# Altium PCB DI544.PcbDoc (part 6 of 7)
Units mil, origin at the board's own origin, x right, y up, seen from the top; angles counter-clockwise.
Board outline 8666.42 x 9192.01 mil, 4 copper layers (Top Layer, Mid-Layer 1, Mid-Layer 2, Bottom Layer), stack 35.6 mil thick; 830 components, 583 nets, 2837 pads, 1326 vias.
Unrouted connection lines stored in the file: 629.
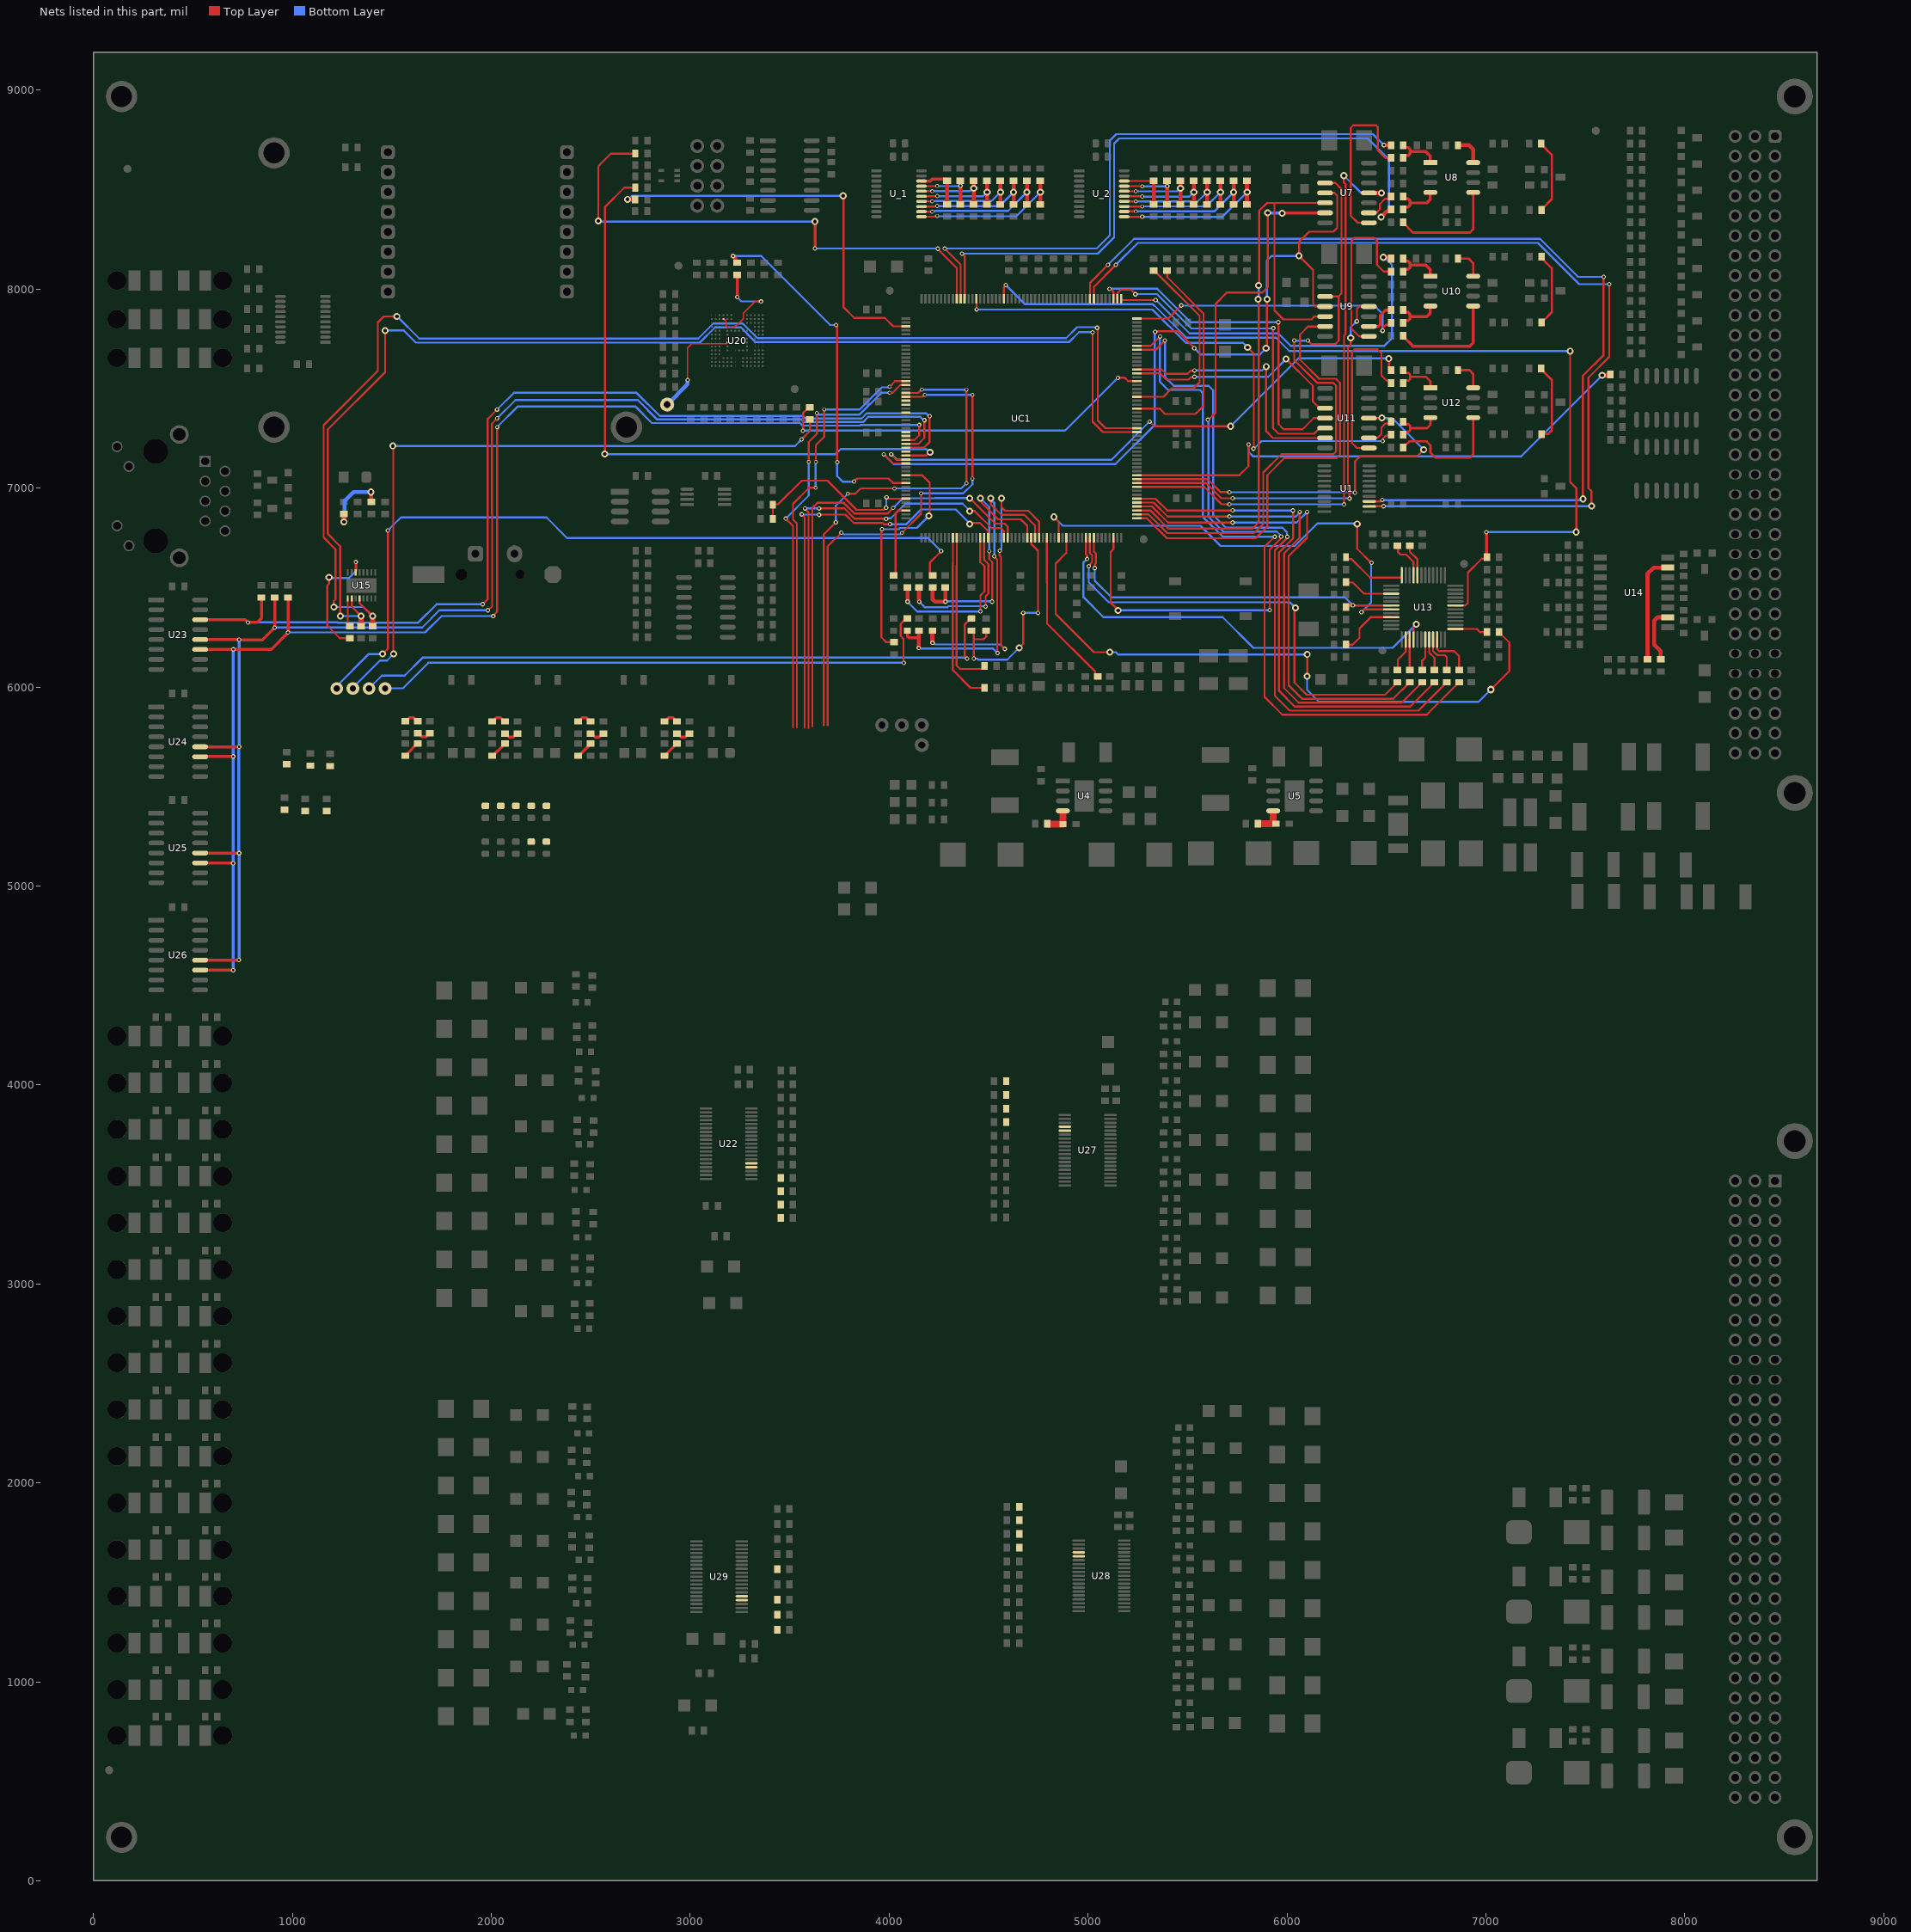
[diagram p8: the nets of this part, all layers, seen from the top]

## Via types
v1: diameter 22, hole 12, Top Layer to Bottom Layer, tented both sides, 440 vias
v2: diameter 32, hole 18, Top Layer to Bottom Layer, tented both sides, 418 vias
v3: diameter 35, hole 18, Top Layer to Bottom Layer, tented both sides, 380 vias
v4: diameter 20, hole 12, Top Layer to Bottom Layer, tented both sides, 52 vias
v5: diameter 24, hole 12, Top Layer to Bottom Layer, tented both sides, 8 vias
v6: diameter 38, hole 18, Top Layer to Bottom Layer, tented both sides, 6 vias
v7: diameter 30, hole 20, Top Layer to Bottom Layer, 4 vias
v8: diameter 39.37, hole 19.68, Top Layer to Bottom Layer, 4 vias
v9: diameter 62.99, hole 31.5, Top Layer to Bottom Layer, tented both sides, 4 vias
v10: diameter 35, hole 19, Top Layer to Bottom Layer, tented both sides, 4 vias
v11: diameter 21, hole 12, Top Layer to Bottom Layer, tented both sides, 3 vias
v12: diameter 35, hole 12, Top Layer to Bottom Layer, tented both sides, 1 vias
v13: diameter 22.01, hole 12, Top Layer to Bottom Layer, tented both sides, 1 vias
v14: diameter 35, hole 22, Top Layer to Bottom Layer, tented both sides, 1 vias

## Nets (pads, with @x,y where several pads share a name; then routed paths per layer and width w, separated by ;. In a path a pad name is that pad's centre, name@x,y a point inside that pad or via, vN(x,y) a via of type N, cw(c..) or ccw(c..) an arc to the next point about the centre after c; other vN are vias at no path point) (continued)
NetR31_1: R31.1 U20.B4 | length 532.6
  Top Layer w5.91: U20.B4@3167.6,7850.39 3178,7839.99 3178,7839.71 3181.3,7836.41 3181.3,7813.65 3189.89,7805.06 3219.7,7805.06 3266.72,7852.08 3266.72,7878.93 3325.8,7938 v1(3356,7938)
  Top Layer w15: v1(3237,7960.19) R31.1@3237,8072.4
  Bottom Layer w10: v1(3237,7960.19) 3237,7959 3256.9,7939.1 3354.9,7939.1 v1(3356,7938)
NetR31_2: R31.2 UC1.199 | length 1841
  Top Layer w10: v1(3733.27,7820) 3733.27,7819.01 3739.17,7813.11 v1(3739.17,7130.67) ; v1(3824,7033.73) 3839.19,7048.92 3997.08,7048.92 4020.07,7025.93 UC1.199@4084.48,7025.93
  Top Layer w20: v1(3215.55,8167) 3215.55,8166.46 3227.5,8154.51 3227.5,8139.4 3233.5,8133.4 R31.2@3237,8133.4
  Bottom Layer w10: v1(3215.55,8167) 3357,8167 3704,7820 v1(3733.27,7820) ; v1(3739.17,7130.67) 3739.17,7060.08 3766.26,7032.99 3823.26,7032.99 v1(3824,7033.73)
NetR32_2: R32.2 UC1.81 | length 1118
  Top Layer w10: UC1.81@5245.9,7399.95 5360.88,7399.95 5387.83,7373 5540.14,7373 5560.84,7393.7 5561.02,7393.7 5581,7413.68 5581,7877.72 5397.94,8060.78 R32.2@5397.94,8092.7
NetR33_2: R33.2 UC1.84 | length 1003.1
  Top Layer w10: UC1.84@5245.9,7459 5379.28,7459 5422.24,7501.97 5530.51,7501.97 5561,7532.46 5561,7866.25 5334.55,8092.7 R33.2@5331.05,8092.7
NetR34_2: R34.2 UC1.9 | length 861.4
  Top Layer w10: UC1.9@4320.7,6750.34 4320.7,6619.55 4319.92,6618.77 4319.92,6086.57 4409.94,5996.56 R34.2@4479.89,5996.56
NetR36_2: R36.2 UC1.16 | length 844.6
  Top Layer w10: UC1.16@4458.5,6750.34 4458.5,6628.5 4479.74,6607.26 4479.74,6481.74 4459.29,6461.29 v1(4459.29,6381)
  Top Layer w20: v1@4093,6429 R36.2@4093,6500
  Bottom Layer w10: v1@4093,6429 4142,6380 4458.29,6380 v1(4459.29,6381)
  other v1: 4093,6429.41
NetR38_2: R38.2 UC1.17 | length 779
  Top Layer w10: UC1.17@4478.18,6750.34 4478.18,6638.82 4499,6618 4499,6471 4485.09,6457.09 4485.09,6405.21 v1(4485.29,6405)
  Top Layer w20: R38.2@4150.45,6500 4150.45,6430.8 4151.57,6429.68 v1(4151.57,6429.13)
  Bottom Layer w10: v1(4151.57,6429.13) 4178.71,6402 4294,6402 4299,6407 4483.29,6407 v1(4485.29,6405)
NetR39_2: R39.2 UC1.33 | length 803.5
  Top Layer w10: UC1.33@4793.14,6750.34 4793.14,6526.38 4794.44,6525.08 4794.44,6319.73 5036.35,6077.83 5036.35,6064.29 5047.35,6053.29 R39.2@5048.52,6053.29
NetR40_1: R40.1 UC1.206 | length 374.5
  Top Layer w10: R40.1@4023.02,6561 4033,6570.98 4033,6874 4047.14,6888.14 UC1.206@4084.48,6888.14
NetR41_2: R41.2 UC1.10 | length 797.5
  Top Layer w10: UC1.10@4340.39,6750.34 4340.39,6610.96 4339.92,6610.49 4339.92,6107.91 4356.34,6091.5 4412.61,6091.5 4468.89,6091.52 4479.89,6102.52 R41.2@4479.89,6106.02
NetR42_2: R42.2 R43.2 UC1.28 | length 1349.9
  Top Layer w10: R42.2@4280.23,6503.34 R42.2@4283.38,6500.18 ; v3(4458.66,6949.8) 4463.28,6945.19 4463.28,6928.46 4548.23,6843.5 4662.4,6843.5 4695,6810.91 4695,6750.63 UC1.28@4694.72,6750.34 ; v4(4503.18,6683) 4503.18,6643.82 4519,6628 4519,6431.06 v1(4517.35,6429.41)
  Top Layer w20: R43.2@4219.09,6500 4218.5,6499.42 4218.5,6441.13 4230.22,6429.41 v1(4283,6429.41) 4283,6499.8 R42.2@4283.38,6500.18
  Bottom Layer w10: v1(4283,6429.41) 4284.59,6431 4515.76,6431 v1(4517.35,6429.41) ; v3(4458.66,6949.8) 4503.18,6905.28 v4(4503.18,6683)
NetR43_1: R43.1 | length 3968.9
  Top Layer w10: v3@1453.76,6166.36 1480.32,6192.91 v1(1480.32,6787.4) ; R43.1@4216.14,6561 4215.72,6561 4204.72,6572 4204.72,6625.13 4261.57,6681.98 v1(4261.57,6683.39)
  Bottom Layer w10: v9@1224.41,5995.08 1224.41,6005.91 1384.84,6166.34 v3@1453.72,6166.34 ; v1(1480.32,6787.4) 1509.02,6816.11 1546.26,6853.35 2277.56,6853.35 2381.16,6749.75 4195.78,6749.75 4261.57,6683.95 v1(4261.57,6683.39)
  other v3: 1453.74,6166.36
  other v9: 1223.4,5993.11
NetR44_2: R44.2 R46.2 UC1.29 | length 1151.7
  Top Layer w10: R46.2@4414.5,6283.78 4426,6272.28 4426,6240.16 ; v1(4426,6143) 4426,6240.16 ; R44.2@4488.08,6283.78 4488.08,6253.83 4474.41,6240.16 4426,6240.16 ; v3(4654.53,6197.83) 4674.21,6217.52 v1(4674.21,6373.03) ; UC1.29@4714.4,6750.34 4714.43,6719.63 4748.46,6685.6 4748.46,6373.05 v1@4750.74,6375.33
  Bottom Layer w10: v1(4426,6143) 4426.5,6143.5 4444.1,6143.5 4450.1,6137.5 4594.19,6137.5 v3(4654.53,6197.83) ; v1(4674.21,6373.03) v1(4748.44,6373.03)
NetR45_2: R45.2 UC1.197 | length 1185.9
  Top Layer w10: v1(3964.37,6793.92) 3962.08,6791.63 3962.08,6781.72 3961.2,6780.85 3961.2,6250.41 3985.73,6225.88 R45.2@4024.99,6225.88 ; UC1.197@4084.48,7065.3 4165.7,7065.3 4204,7027 4204,6869.07 4203.74,6868.81 4203.74,6866.62 4200,6862.88 v3(4200,6860.18)
  Bottom Layer w10: v1(3964.37,6793.92) 3964.58,6793.72 4048.43,6793.72 4054.46,6799.75 4139.57,6799.75 v3(4200,6860.18)
NetR46_1: R46.1 | length 3293.1
  Top Layer w10: v1(4392.8,6143) 4392.8,6145.85 4379.92,6158.73 4379.92,6313.71 4408.76,6342.54 R46.1@4408.76,6344.78
  Bottom Layer w10: v9@1384.98,5993.11 1449.94,6058.07 1564.96,6058.07 1654.89,6148 4380.94,6148 4383.64,6145.3 4390.5,6145.3 v1(4392.8,6143)
  other v9: 1385.49,5993.11
NetR47_2: R47.2 R49.2 UC1.30 | length 1735.2
  Top Layer w10: R49.2@4091.66,6283.78 R49.2@4093.33,6282.11 ; v3(4511.81,6949.8) 4512.82,6948.8 4512.82,6917.3 4563.98,6866.14 4679.13,6866.14 4733.77,6811.5 4733.77,6811.19 ; v11(4529,6658) 4529,6655.02 4543.35,6640.68 4543.35,6173.19 v1(4545.28,6171.26) ; UC1.30@4734.09,6750.34 4734.09,6811.19
  Top Layer w15: R49.2@4093.33,6282.11 4093.33,6254.11 4099.41,6248.03 4148.62,6248.03
  Top Layer w20: v1(4148.76,6196.44) 4148.76,6277.78 4152.42,6281.45 R47.2@4152.42,6283.78
  Bottom Layer w10: v1(4148.76,6196.44) 4151.05,6194.15 4159.54,6194.15 4160.4,6193.28 4523.25,6193.28 v1(4545.28,6171.26) ; v3(4511.81,6949.8) 4511.81,6943.04 4529,6925.85 v11(4529,6658)
NetR48_2: R48.2 UC1.31 | length 1557.2
  Top Layer w10: v1(4556,6685) 4556,6661.52 4563.35,6654.17 4563.35,6210.35 4581.69,6192.01 v1(4581.69,6191.93) ; v3(4564.96,6949.8) 4564.96,6904.53 4582.68,6886.81 4699.8,6886.81 4753.77,6832.84 UC1.31@4753.77,6750.34
  Top Layer w20: R48.2@4216.14,6283.78 4217.52,6282.4 v1@4217.52,6222.44
  Bottom Layer w10: v1@4217.52,6222.44 4221.75,6222.44 4229.88,6214.32 4559.31,6214.32 v1(4581.69,6191.93) ; v1(4556,6685) 4556,6687.9 4564.96,6696.86 v3(4564.96,6949.8)
  other v1: 4218.5,6222.44
NetR49_1: R49.1 | length 2904.8
  Top Layer w10: v1(4074,6122) 4072.83,6123.17 4072.83,6242.13 4058.07,6256.89 4058.07,6317.64 4074.21,6333.78 4077.71,6333.78 R49.1@4088.71,6344.78
  Bottom Layer w10: v9@1466.54,5994.09 1556.1,5994.09 1684.24,6122.24 4073.76,6122.24 v1(4074,6122)
  other v9: 1466.54,5993.11
NetR50_2: R50.2 U15.2 UC1.75 | length 6203.6
  Top Layer w10: v3(1241.14,6357.28) v3(1241.14,6357.28) 1241.1,6707.72 1177.44,6771.38 1177.44,7293.58 1466.54,7582.68 v3(1466.54,7792.32) ; U15.2@1298.6,6445.75 1298.6,6404.15 v3(1346.06,6356.69) ; v1(5022.81,7783) 5023,7782.81 5023,7334 5075.16,7281.84 UC1.75@5245.9,7281.84
  Top Layer w25: R50.2@1346.06,6306.4 v3(1346.06,6356.69)
  Bottom Layer w10: v3(1241.14,6357.28) 1241.44,6356.99 1345.77,6356.99 v3(1346.06,6356.69) ; v3(1466.54,7792.32) 1560.04,7792.32 1620.76,7731.6 3048.6,7731.6 3124.66,7807.66 3255.34,7807.66 3328.99,7734 4905,7734 4955.16,7784.16 5021.65,7784.16 v1(5022.81,7783)
NetR51_2: R51.2 U15.4 UC1.76 | length 6395.4
  Top Layer w10: v3(1208.6,6402.56) 1208.6,6431.75 1216.91,6440.06 1216.91,6692.54 1157.44,6752.01 1157.44,7316.89 1430.12,7589.57 1430.12,7832.68 1460.63,7863.19 v3(1525.59,7863.19) ; U15.4@1337.98,6445.75 1337.98,6422.01 v3(1403.3,6356.69) ; v1(5045.83,7806.02) 5048.12,7803.72 5048.12,7794.45 5049.48,7793.1 5049.48,7340.52 5088.48,7301.52 UC1.76@5245.9,7301.52
  Top Layer w25: R51.2@1403.3,6306.4 v3@1403.3,6360.48
  Bottom Layer w10: v3(1208.6,6402.56) 1357.43,6402.56 v3(1403.3,6356.69) ; v3(1525.59,7863.19) 1526.57,7863.19 1638.17,7751.6 3040.31,7751.6 3116.47,7827.76 3263.78,7827.76 3337.54,7754 4890,7754 4945.1,7809.1 5033.48,7809.1 5034.26,7808.32 5043.53,7808.32 v1(5045.83,7806.02)
NetR52_1: R52.1 UC1.64 | length 2723.3
  Top Layer w10: UC1.64@5245.9,7065.3 5761.3,7065.3 5806.14,7110.14 5806.14,7217.83 v1(5807.21,7218.9) ; R52.1@7621.32,7567 R52.1@7626,7571.68
  Top Layer w25: v3(7585,7567) R52.1@7621.32,7567
  Bottom Layer w10: v1(5807.21,7218.9) 5806.14,7217.83 5806.14,7184.02 5829.66,7160.5 7178.5,7160.5 v3(7585,7567)
NetR53_1: R53.1 R54.1 UC1.203 | length 911.2
  Top Layer w10: R53.1@3415.43,6844.72 R54.1@3415.43,6917.04 3417.06,6918.67 3441.67,6918.67 3561,7038 3690,7038 3837.25,6890.75 3973.2,6890.75 3983.96,6901.51 v1(3984.82,6901.51) ; v1(3987.21,6954.28) 3990.46,6954.28 3997.55,6947.19 UC1.203@4084.48,6947.19
  Bottom Layer w10: v1(3984.82,6901.51) 3986.02,6902.71 3986.02,6953.09 v1(3987.21,6954.28)
NetR70_2: R70.2 R305.2 U4.4 | length 131.5
  Top Layer w35: R70.2@4798,5311 R305.2@4873.54,5311 U4.4@4873.54,5367
NetR71_1: R71.1 U8.5 | length 566.8
  Top Layer w11.81: R71.1@6585,8336.94 6585,8333.44 6633.44,8285 6920,8285 6936.5,8301.5 U8.5@6936.5,8486.38
NetR74_1: R74.1 R79.2 | length 376.8
  Top Layer w11.81: R74.1@7279,8732 7279,8728.5 7331.69,8675.81 7331.69,8452.19 7281,8401.5 R79.2@7281,8398
NetR75_2: R75.2 U8.8 | length 152.2
  Top Layer w20: R75.2@6860,8724.22 6915.78,8724.22 6936.5,8703.5 U8.8@6936.5,8636.38
NetR76_1: R76.1 R80.2 U8.1 | length 256.9
  Top Layer w15: R76.1@6585,8659.68 6585,8663.02 6593.5,8671.52 6610.48,8671.52 6619.27,8680.31 6619.27,8691.95 ; R80.2@6585,8724.22 6585,8720.88 6593.5,8712.38 6610.48,8712.38 6619.27,8703.59 6619.27,8691.95 ; U8.1@6721.5,8636.38 6721.5,8668.5 6698.05,8691.95 6619.27,8691.95
NetR76_2: R76.2 U7.1 | length 892.6
  Top Layer w10: U7.1@6412,8334 6356,8334 6320.87,8369.13 6320.87,8810.84 6334.03,8824 6448,8824 6457.68,8814.32 6457.68,8697.32 6495.32,8659.68 R76.2@6524,8659.68
NetR77_1: R77.1 R81.2 U8.4 | length 253.6
  Top Layer w15: R81.2@6585,8404.91 6585,8405.03 6593.5,8413.53 6610.32,8413.53 6619.11,8422.32 6619.11,8433.7 ; R77.1@6585,8465.89 6585,8462.58 6593.5,8454.08 6610.32,8454.08 6619.11,8445.29 6619.11,8433.7 ; U8.4@6721.5,8486.38 6721.5,8451.5 6703.7,8433.7 6619.11,8433.7
NetR77_2: R77.2 U7.2 | length 163.3
  Top Layer w10: U7.2@6412,8384 6414.68,8386.68 6451.64,8386.68 6467.52,8402.56 6467.52,8428.52 6493,8454 6506.71,8454 6506.79,8454.07 6515.5,8454.07 6524,8462.57 R77.2@6524,8466.07
NetR78_1: R78.1 U10.5 | length 566.8
  Top Layer w15: R78.1@6585,7766 6585,7762.5 6633.5,7714 ; 6633,7714 6919.5,7714 6936,7730.5 ; 6936.5,7730.5 U10.5@6936.5,7915.38
NetR80_1: R80.1 UC1.146 | length 3071
  Top Layer w10: v1(4279.46,8203.85) 4280.61,8202.7 4281.76,8201.55 4360.07,8123.24 UC1.146@4360.07,7951.13 ; R80.1@6523.78,8724 R80.1@6524,8724.22
  Top Layer w20: v5(6488,8724) R80.1@6523.78,8724
  Bottom Layer w10: v1(4279.46,8203.85) 4280.61,8205 5044,8205 5110,8271 5110,8747 5142.53,8779.53 6432.47,8779.53 v5(6488,8724)
NetR81_1: R81.1 UC1.145 | length 3313.3
  Top Layer w10: v1(4366.14,8179) 4379.76,8165.38 UC1.145@4379.76,7951.13
  Top Layer w20: v3(6474.07,8362.93) 6503.18,8392.04 6518,8392.04 6524,8398.04 R81.1@6524,8401.54
  Bottom Layer w10: v1(4366.14,8179) 5049,8179 5131,8261 5131,8732 5156.87,8757.87 6406.5,8757.87 6513.78,8650.59 6513.78,8404.13 6474.07,8364.43 v3(6474.07,8362.93)
NetR82_1: R82.1 R87.2 | length 374.3
  Top Layer w11.81: R82.1@7279,8161 7279,8157.5 7331.69,8104.81 7331.69,7883.69 7293.59,7845.59 7290.09,7845.59 7280,7835.5 R87.2@7280,7832
NetR83_2: R83.2 U10.8 | length 151.9
  Top Layer w11.81: R83.2@6860,8153.83 6914.17,8153.83 6936.5,8131.5 U10.8@6936.5,8065.38
NetR84_1: R84.1 R88.2 U10.1 | length 253.3
  Top Layer w15: R84.1@6585,8088.68 6585,8091.81 6593.5,8100.31 6610.37,8100.31 6619.27,8109.2 6619.27,8120.95 ; R88.2@6585,8149.72 6585,8149.49 6593.5,8140.99 6610.48,8140.99 6619.27,8132.21 6619.27,8120.95 ; U10.1@6721.5,8065.38 6721.5,8097.5 6698.05,8120.95 6619.27,8120.95
NetR84_2: R84.2 U9.1 | length 892.5
  Top Layer w10: U9.1@6412,7763 6362.98,7763 6324,7801.98 6324,8241 6342,8259 6437.85,8259 6452.74,8244.11 6452.74,8122.26 6486.32,8088.68 R84.2@6524,8088.68
NetR85_1: R85.1 R89.2 U10.4 | length 250.2
  Top Layer w15: R89.2@6585,7833.91 6585,7833.97 6593.5,7842.47 6610.32,7842.47 6619.11,7851.25 6619.11,7862.7 ; R85.1@6585,7891.45 6593.5,7882.95 6610.32,7882.95 6619.11,7874.16 6619.11,7862.7 ; U10.4@6721.5,7915.38 6721.5,7880.5 6703.7,7862.7 6619.11,7862.7
NetR85_2: R85.2 U9.2 | length 172.7
  Top Layer w15: U9.2@6412,7813 6459.72,7813 6469.5,7822.78 6469.5,7868.5 6495.89,7894.89 R85.2@6524,7894.94
NetR88_1: R88.1 UC1.105 | length 1949.2
  Top Layer w10: UC1.105@5167.16,7951.13 5167.16,7945.91 5167.88,7945.19 5339.05,7945.19 v1(5339.68,7945.81) ; R88.1@6523.17,8152 R88.1@6524,8152.83
  Top Layer w20: v3(6485.24,8160.43) 6488.11,8157.56 6518,8157.56 6523.17,8152.4 R88.1@6523.17,8152
  Bottom Layer w10: v1(5339.68,7945.81) 5342.32,7945.81 5510.13,7778 5956.25,7778 6018.57,7715.68 6490.68,7715.68 6528.54,7753.54 6528.54,8122.81 6490.92,8160.43 v3(6485.24,8160.43)
NetR89_1: R89.1 UC1.104 | length 1430.6
  Top Layer w10: UC1.104@5245.9,7852.7 5403.7,7852.7 v1(5469.15,7918.15) ; v5(6481.3,7791.42) 6483.98,7794.1 6483.98,7806.81 6498.86,7821.69 6515.22,7821.69 R89.1@6524,7830.47
  Bottom Layer w10: v1(5469.15,7918.15) 5469.86,7917.45 6439.36,7917.45 6481.3,7875.51 v5(6481.3,7791.42)
NetR90_1: R90.1 R95.2 | length 390.9
  Top Layer w11.81: R90.1@7279,7600 7279,7596.5 7332,7543.5 7332,7291 7313.45,7272.45 7283.95,7272.45 R95.2@7281,7269.5
NetR91_1: R91.1 U12.5 | length 612.7
  Top Layer w11.81: R91.1@6585,7205 6585,7208.5 6595.09,7218.59 6598.59,7218.59 6615,7235 6702,7235 6722,7215 6722,7179 6748,7153 6920,7153 6936.5,7169.5 U12.5@6936.5,7354.38
NetR92_1: R92.1 R96.2 U12.1 | length 257.2
  Top Layer w11.81: R92.1@6585,7527.68 6585,7531.18 6595.09,7541.28 6612.35,7541.28 6619.27,7548.2 6619.27,7559.95 ; R96.2@6585,7592.22 6585,7588.72 6595.09,7578.63 6612.35,7578.63 6619.27,7571.71 6619.27,7559.95 ; U12.1@6721.5,7504.38 6721.5,7536.5 6698.05,7559.95 6619.27,7559.95
NetR92_2: R92.2 U11.1 | length 892.8
  Top Layer w10: U11.1@6412,7202 6352.79,7202 6327.76,7227.03 6327.76,7685.76 6340,7698 6455,7698 6475,7678 6475,7566 6499.79,7541.21 6513.91,7541.21 6524,7531.12 R92.2@6524,7527.68
NetR93_1: R93.1 R97.2 U12.4 | length 257.4
  Top Layer w11.81: R97.2@6585,7269.44 6585,7272.91 6595.09,7283 6612.19,7283 6619.11,7289.92 6619.11,7301.7 ; R93.1@6585,7333.89 6585,7330.49 6595.09,7320.39 6612.19,7320.39 6619.11,7313.47 6619.11,7301.7 ; U12.4@6721.5,7354.38 6721.5,7319.5 6703.7,7301.7 6619.11,7301.7
NetR93_2: R93.2 U11.2 | length 166.9
  Top Layer w10: U11.2@6412,7252 6413.59,7253.59 6456.59,7253.59 6475,7272 6475,7305 6495.06,7325.06 6518,7325.06 6524,7331.06 R93.2@6524,7333.89
NetR94_2: R94.2 U12.8 | length 154.3
  Top Layer w11.81: R94.2@6860,7593 6918,7593 6936.5,7574.5 U12.8@6936.5,7504.38
NetR96_1: R96.1 UC1.193 | length 2893.5
  Top Layer w10: v1(4010.84,7170.29) 4010.84,7169.63 4036.43,7144.04 UC1.193@4084.48,7144.04 ; v1(5310,7334.58) 5333.48,7311.1 5716.46,7311.1 v3(5716.54,7311.02) ; v3(6512.8,7650.59) 6512.8,7612.5 6513,7612.29 6513,7603.14 R96.1@6524,7592.14
  Bottom Layer w10: v1(4010.84,7170.29) 4011.54,7170.29 4039.83,7142 5117.42,7142 v1(5310,7334.58) ; v3(5716.54,7311.02) 6058.09,7652.58 6510.81,7652.58 v3(6512.8,7650.59)
NetR97_1: R97.1 UC1.142 | length 2742.8
  Top Layer w10: UC1.142@4438.81,7951.13 4439.66,7950.28 4439.66,7899.45 v1(4440.51,7898.6) ; v3(5802.17,7707.68) 5833.21,7676.63 5833.21,7199.91 v1(5832.14,7198.84) ; v1@6480.46,7237.54 6483.36,7240.45 6483.36,7249.36 6498.86,7264.86 6519.33,7264.86 R97.1@6524,7269.52
  Bottom Layer w10: v1(4440.51,7898.6) 4441.06,7898.05 5324.13,7898.05 5491.87,7730.32 5779.53,7730.32 v3(5802.17,7707.68) ; v1(5832.14,7198.84) 5834.77,7198.84 5872.87,7236.94 v1(6481.06,7236.94)
NetR104_1: R104.1 UC1.38 | length 3262
  Top Layer w10: 4890.75,6674.21 4837.6,6621.06 4837.6,6367.35 5029.76,6175.2 v3(5109.25,6175.2) ; 4891.57,6675.03 UC1.38@4891.57,6750.34 ; v3(6101.38,6055.12) 6102.36,6056.1 v3(6102.36,6163.98) v3@6102.36,6171.85 ; v6(7025.59,5988.19) 7117.83,6080.43 7117.83,6224.04 7079.1,6262.77 7077.27,6262.77 7066.27,6273.77 R104.1@7066.27,6275.6
  Bottom Layer w10: v3(5109.25,6175.2) 5139.76,6175.2 5150.99,6163.98 v3(6102.36,6163.98) ; v3(6101.38,6055.12) 6101.38,5986.22 6161.42,5926.18 6963.58,5926.18 v6(7025.59,5988.19)
NetR104_2: R104.2 U13.1 | length 165
  Top Layer w10: U13.1@6847.23,6292.36 6954.98,6292.36 6971.74,6275.6 R104.2@7005.27,6275.6
NetR109_1: R109.1 UC1.57 | length 2545.9
  Top Layer w10: UC1.57@5245.9,6927.51 5330.37,6927.51 5400.27,6857.6 v1(5711.16,6857.6) ; v1@6064,6881.82 v1(6064,6880.84) 6064,6750.02 5986.22,6672.24 5986.22,5995.08 6059.69,5921.61 6577.15,5921.61 R109.1@6680.01,6024.48
  Bottom Layer w10: v1(5711.16,6857.6) 6044.96,6857.6 6061.7,6874.34 6061.7,6879.53 v1@6064,6881.82
NetR109_2: R109.2 U13.43 | length 160.2
  Top Layer w10: R109.2@6680.01,6085.48 6680.12,6085.59 6680.12,6132.87 6695.66,6148.41 U13.43@6695.66,6239.22
NetR110_1: R110.1 UC1.58 | length 2607.9
  Top Layer w10: UC1.58@5245.9,6947.19 5339.22,6947.19 5398.22,6888.2 v1(5726.91,6888.2) ; v1@6030.51,6883.6 6031.5,6882.62 6031.5,6747.77 5960.63,6676.9 5960.63,5981.3 6040.32,5901.61 6619.05,5901.61 R110.1@6741.91,6024.48
  Bottom Layer w10: v1@5726.91,6887.58 6026.53,6887.58 6028.22,6885.9 v1@6030.51,6883.6
  other v1: 6030.51,6887.54
NetR110_2: R110.2 U13.44 | length 164.7
  Top Layer w10: U13.44@6715.34,6239.22 6715.34,6173.44 6741.91,6146.87 R110.2@6741.91,6085.48
NetR111_1: R111.1 UC1.96 | length 3451.6
  Top Layer w10: UC1.96@5245.9,7695.22 5340.45,7695.22 5386.81,7741.59 v1(5386.81,7742.03) ; v1(6002.61,6755.65) 6002.61,6754.43 5996.1,6747.92 5996.1,6743.85 5939.8,6687.55 5939.8,5955.87 6014.06,5881.61 6660.95,5881.61 R111.1@6803.81,6024.48
  Bottom Layer w10: v1(5386.81,7742.03) 5386.81,7558.07 5431.1,7513.78 5606.22,7513.78 5628.94,7491.06 5628.94,6865.06 5693,6801 5834.63,6801 5835.27,6801.65 5976.9,6801.65 6000.31,6778.23 6000.31,6757.94 v1(6002.61,6755.65)
NetR111_2: R111.2 U13.45 | length 204.7
  Top Layer w10: U13.45@6735.03,6239.22 6735.03,6181.31 6755.91,6160.43 6794.29,6160.43 6803.81,6150.91 R111.2@6803.81,6085.48
NetR112_1: R112.1 UC1.97 | length 3536.9
  Top Layer w10: UC1.97@5245.9,7714.91 5314.49,7714.91 v1(5362.06,7762.48) ; v1(5938.65,6755.65) 5887.8,6704.78 5887.8,5950.79 5976.97,5861.61 6702.86,5861.61 R112.1@6865.72,6024.48